# KiCad board 4-ch-backplane.kicad_pcb (continued)
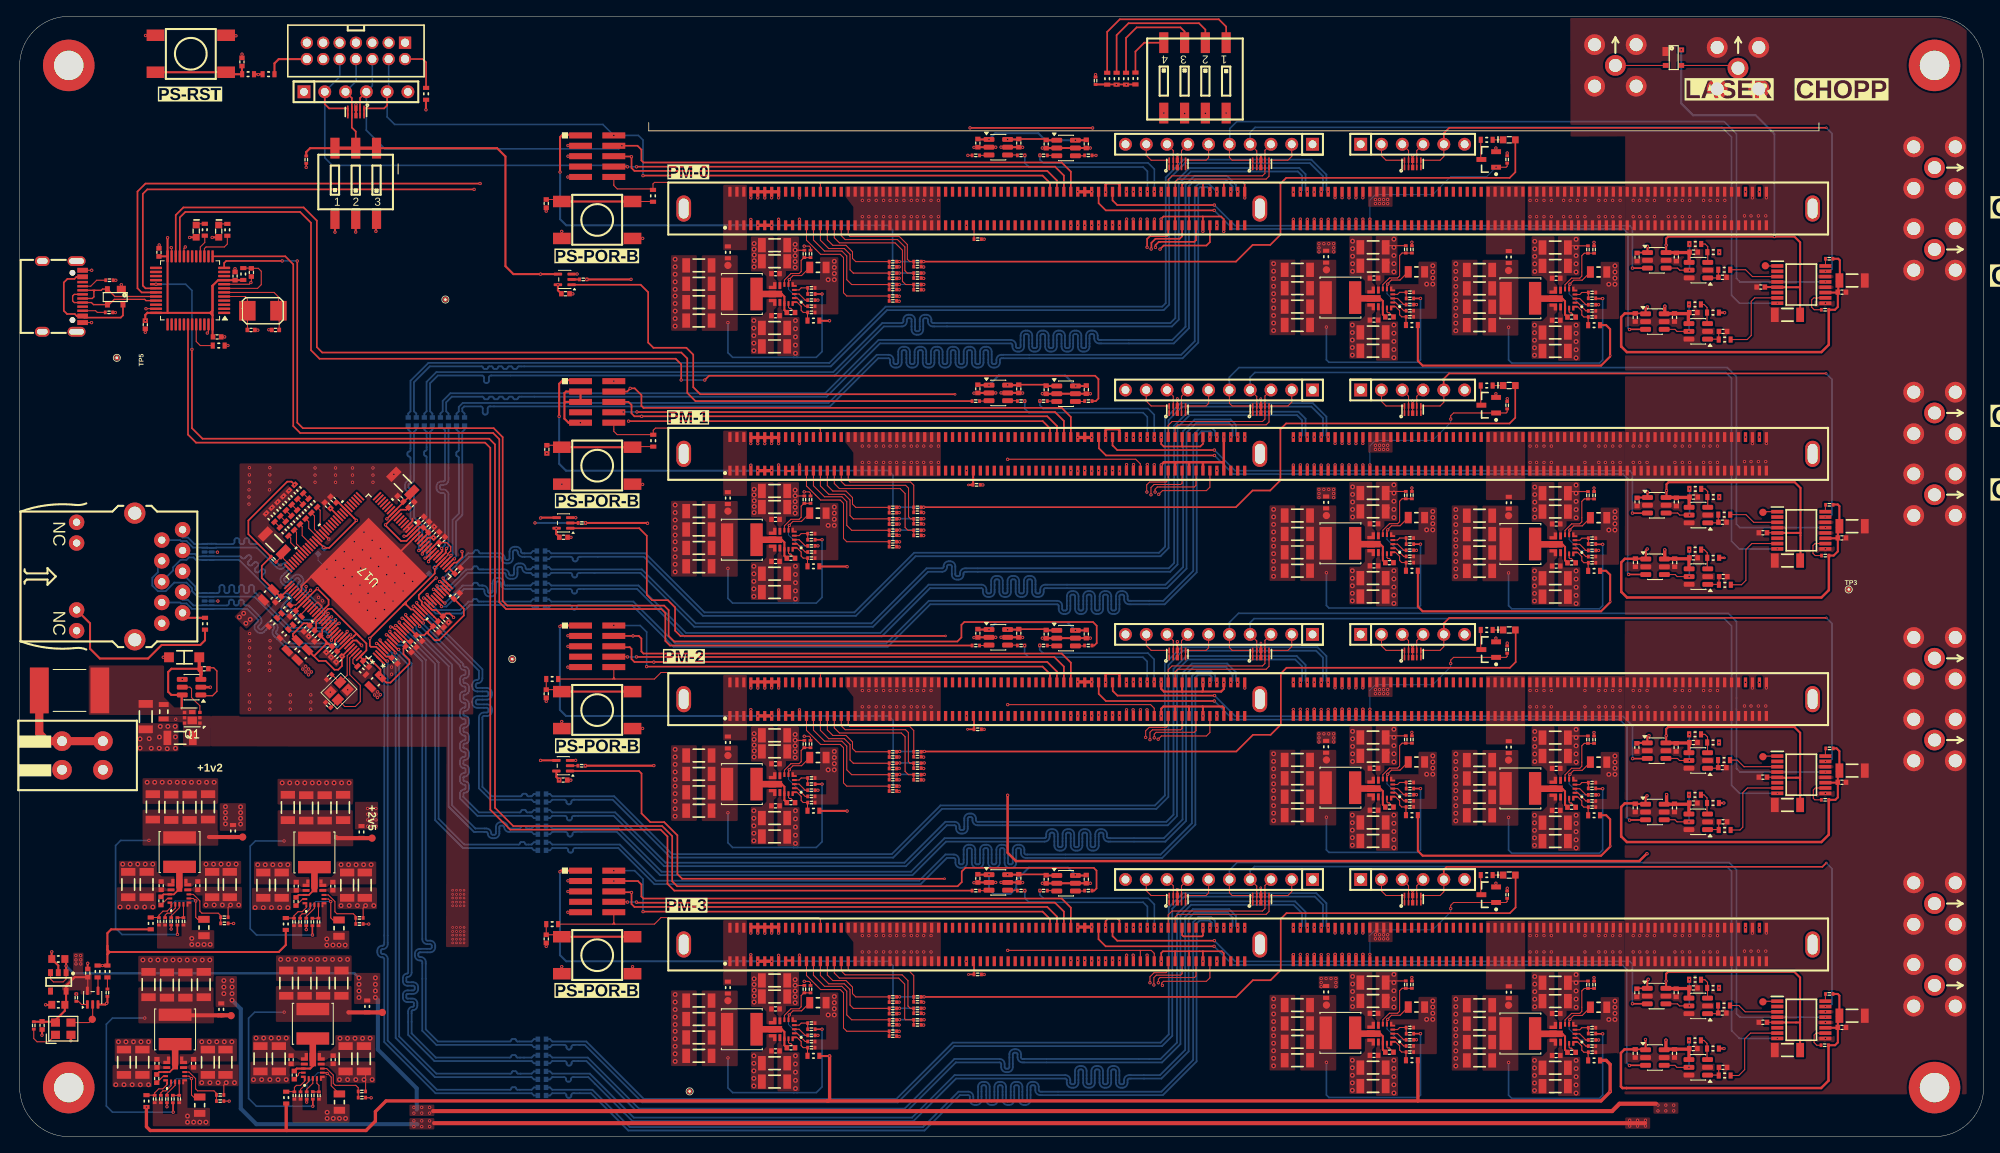
[diagram p0: board, top side]
## Nets (continued)
/TOP_LEVEL_IO/BOARD_ID_0: J7.64 J9.64 J11.64 J35.64 SW1.2
/TOP_LEVEL_IO/BOARD_ID_1: J7.66 J9.66 J11.66 J35.66 SW1.4
/TOP_LEVEL_IO/BOARD_ID_2: J7.68 J9.68 J11.68 J35.68 SW1.6
/TOP_LEVEL_IO/BOARD_ID_3: J7.70 J9.70 J11.70 J35.70 SW1.8
/TOP_LEVEL_IO/CHOPPER_INPUT: J18.1 R22.1 R35.1 R165.1 R203.1 U16.3
/TOP_LEVEL_IO/ETH1_TD0_N: C206.1 J7.215
/TOP_LEVEL_IO/ETH1_TD0_P: C205.1 J7.214
/TOP_LEVEL_IO/ETH1_TD1_N: C208.1 J7.218
/TOP_LEVEL_IO/ETH1_TD1_P: C207.1 J7.217
/TOP_LEVEL_IO/ETH1_TD2_N: C210.1 J7.222
/TOP_LEVEL_IO/ETH1_TD2_P: C209.1 J7.221
/TOP_LEVEL_IO/ETH1_TD3_N: C212.1 J7.225
/TOP_LEVEL_IO/ETH1_TD3_P: C211.1 J7.224
/TOP_LEVEL_IO/ETH2_TD0_N: C145.2 J9.215
/TOP_LEVEL_IO/ETH2_TD0_P: C144.2 J9.214
/TOP_LEVEL_IO/ETH2_TD1_N: C200.2 J9.218
/TOP_LEVEL_IO/ETH2_TD1_P: C199.2 J9.217
/TOP_LEVEL_IO/ETH2_TD2_N: C202.2 J9.222
/TOP_LEVEL_IO/ETH2_TD2_P: C201.2 J9.221
/TOP_LEVEL_IO/ETH2_TD3_N: C204.2 J9.225
/TOP_LEVEL_IO/ETH2_TD3_P: C203.2 J9.224
/TOP_LEVEL_IO/ETH3_TD0_N: C134.2 J11.215
/TOP_LEVEL_IO/ETH3_TD0_P: C133.2 J11.214
/TOP_LEVEL_IO/ETH3_TD1_N: C136.2 J11.218
/TOP_LEVEL_IO/ETH3_TD1_P: C135.2 J11.217
/TOP_LEVEL_IO/ETH3_TD2_N: C140.2 J11.222
/TOP_LEVEL_IO/ETH3_TD2_P: C137.2 J11.221
/TOP_LEVEL_IO/ETH3_TD3_N: C143.2 J11.225
/TOP_LEVEL_IO/ETH3_TD3_P: C142.2 J11.224
/TOP_LEVEL_IO/ETH4_TD0_N: C73.2 J35.215
/TOP_LEVEL_IO/ETH4_TD0_P: C69.2 J35.214
/TOP_LEVEL_IO/ETH4_TD1_N: C116.2 J35.218
/TOP_LEVEL_IO/ETH4_TD1_P: C81.2 J35.217
/TOP_LEVEL_IO/ETH4_TD2_N: C130.2 J35.222
/TOP_LEVEL_IO/ETH4_TD2_P: C128.2 J35.221
/TOP_LEVEL_IO/ETH4_TD3_N: C132.2 J35.225
/TOP_LEVEL_IO/ETH4_TD3_P: C131.2 J35.224
/TOP_LEVEL_IO/ETH5_TD0_N: D28.4 D28.7 J6.2 U17.113
/TOP_LEVEL_IO/ETH5_TD0_P: D28.5 D28.6 J6.1 U17.112
/TOP_LEVEL_IO/ETH5_TD1_N: D28.1 D28.10 J6.6 U17.116
/TOP_LEVEL_IO/ETH5_TD1_P: D28.2 D28.9 J6.3 U17.115
/TOP_LEVEL_IO/ETH5_TD2_N: D29.5 D29.6 J6.5 U17.118
/TOP_LEVEL_IO/ETH5_TD2_P: D29.4 D29.7 J6.4 U17.117
/TOP_LEVEL_IO/ETH5_TD3_N: D29.1 D29.10 J6.8 U17.121
/TOP_LEVEL_IO/ETH5_TD3_P: D29.2 D29.9 J6.7 U17.120
/TOP_LEVEL_IO/ETHERNET/ETH_LD1: J6.11 U17.102
/TOP_LEVEL_IO/ETHERNET/ETH_LD2: J6.14 R141.2 U17.103
/TOP_LEVEL_IO/HOUSE_POWER/CLK_1MHz: TP17.1 U13.2 Y1.3
/TOP_LEVEL_IO/HOUSE_POWER/SYNC_CLK: R67.1 R70.2 R71.2 R73.1 R86.1 R93.1 R104.1 R110.1 R119.1 R120.1 R121.1 R132.1 R166.1 R167.1 R168.1 R204.1 R205.1 R206.1
/TOP_LEVEL_IO/HOUSE_POWER/TPS543320_BUCK_1V2/BP5: C29.2 R99.1 U3.6
/TOP_LEVEL_IO/HOUSE_POWER/TPS543320_BUCK_1V2/FB: R2.1 R91.2 U3.4
/TOP_LEVEL_IO/HOUSE_POWER/TPS543320_BUCK_1V2/L+: C129.2 L9.1 U3.10 U3.13
/TOP_LEVEL_IO/HOUSE_POWER/TPS543320_BUCK_1V2/L-: C111.2 C118.2 C121.2 C124.2 L9.2 R2.2 R117.1 TP13.1
/TOP_LEVEL_IO/HOUSE_POWER/TPS543320_BUCK_1V2/MODE: R105.2 U3.2
/TOP_LEVEL_IO/HOUSE_POWER/TPS543320_BUCK_1V8/BP5: C30.2 R107.1 U18.6
/TOP_LEVEL_IO/HOUSE_POWER/TPS543320_BUCK_1V8/FB: R9.1 R92.2 U18.4
/TOP_LEVEL_IO/HOUSE_POWER/TPS543320_BUCK_1V8/L+: C141.2 L11.1 U18.10 U18.13
/TOP_LEVEL_IO/HOUSE_POWER/TPS543320_BUCK_1V8/L-: C112.2 C119.2 C122.2 C125.2 L11.2 R9.2 R118.1 TP14.1
/TOP_LEVEL_IO/HOUSE_POWER/TPS543320_BUCK_1V8/MODE: R106.2 U18.2
/TOP_LEVEL_IO/HOUSE_POWER/TPS543320_BUCK_2V5/BP5: C28.2 R98.1 U2.6
/TOP_LEVEL_IO/HOUSE_POWER/TPS543320_BUCK_2V5/FB: R1.1 R80.2 U2.4
/TOP_LEVEL_IO/HOUSE_POWER/TPS543320_BUCK_2V5/L+: C117.2 L8.1 U2.10 U2.13
/TOP_LEVEL_IO/HOUSE_POWER/TPS543320_BUCK_2V5/L-: C110.2 C113.2 C120.2 C123.2 L8.2 R1.2 R109.1 TP12.1
/TOP_LEVEL_IO/HOUSE_POWER/TPS543320_BUCK_2V5/MODE: R5.2 U2.2
/TOP_LEVEL_IO/HOUSE_POWER/TPS543620_BUCK_5V0_HOUSE/FB: R30.1 R66.2 U22.4
/TOP_LEVEL_IO/HOUSE_POWER/TPS543620_BUCK_5V0_HOUSE/L+: C104.1 L7.1 U22.10 U22.13
/TOP_LEVEL_IO/HOUSE_POWER/TPS543620_BUCK_5V0_HOUSE/L-: C79.2 C94.2 C101.2 C146.2 L7.2 R30.2 R101.1 TP10.1
/TOP_LEVEL_IO/HOUSE_POWER/TPS543620_BUCK_5V0_HOUSE/MODE: R95.2 U22.2
/TOP_LEVEL_IO/INPUT_PROTECTION/Gate: Q1.3 U1.5
/TOP_LEVEL_IO/JTAG/PS-RST-B: J2.14 R111.2
/TOP_LEVEL_IO/JTAG/Vref: J2.2 R112.2
/TOP_LEVEL_IO/LASER_SYNC_INPUT: J19.1 R17.1 R20.1 R164.1 R202.1 U16.2
/TOP_LEVEL_IO/NET_SWITCH/E1_TD0_N: C73.1 U17.2
/TOP_LEVEL_IO/NET_SWITCH/E1_TD0_P: C69.1 U17.1
/TOP_LEVEL_IO/NET_SWITCH/E1_TD1_N: C116.1 U17.5
/TOP_LEVEL_IO/NET_SWITCH/E1_TD1_P: C81.1 U17.4
/TOP_LEVEL_IO/NET_SWITCH/E1_TD2_N: C130.1 U17.7
/TOP_LEVEL_IO/NET_SWITCH/E1_TD2_P: C128.1 U17.6
/TOP_LEVEL_IO/NET_SWITCH/E1_TD3_N: C132.1 U17.9
/TOP_LEVEL_IO/NET_SWITCH/E1_TD3_P: C131.1 U17.8
/TOP_LEVEL_IO/NET_SWITCH/E2_TD0_N: C134.1 U17.13
/TOP_LEVEL_IO/NET_SWITCH/E2_TD0_P: C133.1 U17.12
/TOP_LEVEL_IO/NET_SWITCH/E2_TD1_N: C136.1 U17.16
/TOP_LEVEL_IO/NET_SWITCH/E2_TD1_P: C135.1 U17.15
/TOP_LEVEL_IO/NET_SWITCH/E2_TD2_N: C140.1 U17.18
/TOP_LEVEL_IO/NET_SWITCH/E2_TD2_P: C137.1 U17.17
/TOP_LEVEL_IO/NET_SWITCH/E2_TD3_N: C143.1 U17.21
/TOP_LEVEL_IO/NET_SWITCH/E2_TD3_P: C142.1 U17.20
/TOP_LEVEL_IO/NET_SWITCH/E3_TD0_N: C145.1 U17.25
/TOP_LEVEL_IO/NET_SWITCH/E3_TD0_P: C144.1 U17.24
/TOP_LEVEL_IO/NET_SWITCH/E3_TD1_N: C200.1 U17.27
/TOP_LEVEL_IO/NET_SWITCH/E3_TD1_P: C199.1 U17.26
/TOP_LEVEL_IO/NET_SWITCH/E3_TD2_N: C202.1 U17.29
/TOP_LEVEL_IO/NET_SWITCH/E3_TD2_P: C201.1 U17.28
/TOP_LEVEL_IO/NET_SWITCH/E3_TD3_N: C204.1 U17.32
/TOP_LEVEL_IO/NET_SWITCH/E3_TD3_P: C203.1 U17.31
/TOP_LEVEL_IO/NET_SWITCH/E4_TD0_N: C206.2 U17.35
/TOP_LEVEL_IO/NET_SWITCH/E4_TD0_P: C205.2 U17.34
/TOP_LEVEL_IO/NET_SWITCH/E4_TD1_N: C208.2 U17.38
/TOP_LEVEL_IO/NET_SWITCH/E4_TD1_P: C207.2 U17.37
/TOP_LEVEL_IO/NET_SWITCH/E4_TD2_N: C210.2 U17.40
/TOP_LEVEL_IO/NET_SWITCH/E4_TD2_P: C209.2 U17.39
/TOP_LEVEL_IO/NET_SWITCH/E4_TD3_N: C212.2 U17.43
/TOP_LEVEL_IO/NET_SWITCH/E4_TD3_P: C211.2 U17.42
/TOP_LEVEL_IO/NET_SWITCH/ETH1_LED_0: U17.105
/TOP_LEVEL_IO/NET_SWITCH/ETH1_LED_1: R147.2 U17.106
/TOP_LEVEL_IO/NET_SWITCH/ETH2_LED_0: R144.2 U17.89
/TOP_LEVEL_IO/NET_SWITCH/ETH2_LED_1: R146.2 U17.90
/TOP_LEVEL_IO/NET_SWITCH/ETH3_LED_0: U17.85
/TOP_LEVEL_IO/NET_SWITCH/ETH3_LED_1: R142.2 U17.86
/TOP_LEVEL_IO/NET_SWITCH/ETH4_LED_0: R145.2 U17.82
/TOP_LEVEL_IO/NET_SWITCH/ETH4_LED_1: R143.2 U17.83
/TOP_LEVEL_IO/NET_SWITCH/RX_CTL: U17.73
/TOP_LEVEL_IO/NET_SWITCH/RXC: U17.72
/TOP_LEVEL_IO/NET_SWITCH/RXD0: R149.1 U17.80
/TOP_LEVEL_IO/NET_SWITCH/RXD1: U17.79
/TOP_LEVEL_IO/NET_SWITCH/RXD2: U17.78
/TOP_LEVEL_IO/NET_SWITCH/RXD3: U17.77
/TOP_LEVEL_IO/NET_SWITCH/TX_CTL: U17.64
/TOP_LEVEL_IO/NET_SWITCH/TXC: U17.63
/TOP_LEVEL_IO/NET_SWITCH/TXD0: U17.70
/TOP_LEVEL_IO/NET_SWITCH/TXD1: U17.69
/TOP_LEVEL_IO/NET_SWITCH/TXD2: U17.68
/TOP_LEVEL_IO/NET_SWITCH/TXD3: U17.67
/TOP_LEVEL_IO/PM0_DET: J7.36 R28.2
/TOP_LEVEL_IO/PM1_DET: J9.36 R29.2 U39.1
/TOP_LEVEL_IO/PM2_DET: J11.36 R64.2 U40.1
/TOP_LEVEL_IO/PM3_DET: J35.36 R65.2 U41.1
/TOP_LEVEL_IO/PS_RST: J7.71 J9.71 J11.71 J35.71 R6.1 R45.1 R111.1
/TOP_LEVEL_IO/RXD_IN_0: R303.1 U42.31
/TOP_LEVEL_IO/RXD_IN_1: R308.1 U42.22
/TOP_LEVEL_IO/RXD_IN_2: R312.1 U42.13
/TOP_LEVEL_IO/RXD_IN_3: R316.1 U42.42
/TOP_LEVEL_IO/SPEEDY_PM__INST1/ADC_CLK_EXT+: J9.245
/TOP_LEVEL_IO/SPEEDY_PM__INST1/ADC_CLK_EXT-: J9.244
/TOP_LEVEL_IO/SPEEDY_PM__INST1/CH1: J9.285 J20.1
/TOP_LEVEL_IO/SPEEDY_PM__INST1/CH2: J9.287 J21.1
/TOP_LEVEL_IO/SPEEDY_PM__INST1/DONE: J9.189
/TOP_LEVEL_IO/SPEEDY_PM__INST1/ETH_LD0: J9.75
/TOP_LEVEL_IO/SPEEDY_PM__INST1/ETH_LD1: J9.74
/TOP_LEVEL_IO/SPEEDY_PM__INST1/ETH_LD2: J9.73
/TOP_LEVEL_IO/SPEEDY_PM__INST1/FPGA_T19: D8.5 D8.6 J9.81 J23.5 U48.15
/TOP_LEVEL_IO/SPEEDY_PM__INST1/FPGA_T20: D8.4 D8.7 J9.80 J23.4
/TOP_LEVEL_IO/SPEEDY_PM__INST1/FPGA_U17: D8.2 D8.9 J9.78 J23.3
/TOP_LEVEL_IO/SPEEDY_PM__INST1/FPGA_U20: J9.87 Q5.1 R56.2
/TOP_LEVEL_IO/SPEEDY_PM__INST1/FPGA_V18: D8.1 D8.10 J9.77 J23.2
/TOP_LEVEL_IO/SPEEDY_PM__INST1/I2C0_SCL: D9.1 D9.10 J9.202 J17.5 U48.13
/TOP_LEVEL_IO/SPEEDY_PM__INST1/I2C0_SDA: D9.2 D9.9 J9.203 J17.4 U48.8
/TOP_LEVEL_IO/SPEEDY_PM__INST1/INIT_B: J9.188
/TOP_LEVEL_IO/SPEEDY_PM__INST1/Laser_Chopper_FE/CHOPPER_OUT: J9.198 U6.3
/TOP_LEVEL_IO/SPEEDY_PM__INST1/Laser_Chopper_FE/DAC_CHOPPER: R194.1 U48.7
/TOP_LEVEL_IO/SPEEDY_PM__INST1/Laser_Chopper_FE/DAC_SYNC: R228.1 U48.3
/TOP_LEVEL_IO/SPEEDY_PM__INST1/Laser_Chopper_FE/LASER_SYNC_OUT: J9.200 U9.3
/TOP_LEVEL_IO/SPEEDY_PM__INST1/PM__1V8: J9.9 J9.10
/TOP_LEVEL_IO/SPEEDY_PM__INST1/PM__2V4: J9.231 J9.232 J9.233 J9.234 R131.2
/TOP_LEVEL_IO/SPEEDY_PM__INST1/PM__3V3: D15.A J9.5 J9.6 J9.7 J15.1 R245.2 R254.2 R262.2 R274.2 R276.2 R278.2 R294.2
/TOP_LEVEL_IO/SPEEDY_PM__INST1/PM__5V_CONN: J9.1 J9.2 J9.3 J9.145 J9.146 J9.147 R129.2
/TOP_LEVEL_IO/SPEEDY_PM__INST1/PM__5V_PGA: J9.104 J9.105 J9.106 J9.107 J9.108 J9.109 J9.248 J9.249 J9.250 J9.251 J9.252 J9.253 R130.2
/TOP_LEVEL_IO/SPEEDY_PM__INST1/PROG_B: J9.187
/TOP_LEVEL_IO/SPEEDY_PM__INST1/PS_CLK_EXT: J9.34
/TOP_LEVEL_IO/SPEEDY_PM__INST1/PS_POR_B: J9.158 J15.10 R4.2
/TOP_LEVEL_IO/SPEEDY_PM__INST1/PWR/TPS543620_BUCK_2V4/FB: R72.2 R126.1 U23.4
/TOP_LEVEL_IO/SPEEDY_PM__INST1/PWR/TPS543620_BUCK_2V4/L+: C164.1 L14.1 U23.10 U23.13
/TOP_LEVEL_IO/SPEEDY_PM__INST1/PWR/TPS543620_BUCK_2V4/L-: C86.2 C95.2 C102.2 C147.2 L14.2 R126.2 R131.1 TP11.1
/TOP_LEVEL_IO/SPEEDY_PM__INST1/PWR/TPS543620_BUCK_2V4/MODE: R113.2 U23.2
/TOP_LEVEL_IO/SPEEDY_PM__INST1/PWR/TPS543620_BUCK_5V0_CONN/FB: R79.2 R84.1 U25.4
/TOP_LEVEL_IO/SPEEDY_PM__INST1/PWR/TPS543620_BUCK_5V0_CONN/L+: C166.1 L12.1 U25.10 U25.13
/TOP_LEVEL_IO/SPEEDY_PM__INST1/PWR/TPS543620_BUCK_5V0_CONN/L-: C88.2 C97.2 C106.2 C149.2 L12.2 R84.2 R129.1 TP16.1
/TOP_LEVEL_IO/SPEEDY_PM__INST1/PWR/TPS543620_BUCK_5V0_CONN/MODE: R122.2 U25.2
/TOP_LEVEL_IO/SPEEDY_PM__INST1/PWR/TPS543620_BUCK_5V0_PGA/FB: R74.2 R100.1 U24.4
/TOP_LEVEL_IO/SPEEDY_PM__INST1/PWR/TPS543620_BUCK_5V0_PGA/L+: C165.1 L13.1 U24.10 U24.13
/TOP_LEVEL_IO/SPEEDY_PM__INST1/PWR/TPS543620_BUCK_5V0_PGA/L-: C87.2 C96.2 C103.2 C148.2 L13.2 R100.2 R130.1 TP15.1
/TOP_LEVEL_IO/SPEEDY_PM__INST1/PWR/TPS543620_BUCK_5V0_PGA/MODE: R114.2 U24.2
/TOP_LEVEL_IO/SPEEDY_PM__INST1/SPI_CS/MIO1: J9.14 R278.1 R279.1
/TOP_LEVEL_IO/SPEEDY_PM__INST1/SPI_DQ0/BOOT_MODE[3]/MIO2: J9.15 R245.1 R249.1
/TOP_LEVEL_IO/SPEEDY_PM__INST1/SPI_DQ1/BOOT_MODE[1]/MIO3: J9.13 R276.1 R277.1
/TOP_LEVEL_IO/SPEEDY_PM__INST1/SPI_DQ2/BOOT_MODE[2]/MIO4: J9.12 R274.1 R275.1
/TOP_LEVEL_IO/SPEEDY_PM__INST1/SPI_DQ3/BOOT_MODE[0]/MIO5: J9.17 R262.1 R263.1
/TOP_LEVEL_IO/SPEEDY_PM__INST1/SPI_SCK/BOOT_MODE[4]/MIO6: J9.16 R254.1 R255.1
/TOP_LEVEL_IO/SPEEDY_PM__INST1/SPI_SCLK_FB/VMODE[1]/MIO8: J9.18 R294.1 R295.1
/TOP_LEVEL_IO/SPEEDY_PM__INST1/TRIGGER_IN_0: D12.1 D12.10 J9.51 J17.9
/TOP_LEVEL_IO/SPEEDY_PM__INST1/TRIGGER_IN_1: D12.2 D12.9 J9.53 J17.8
/TOP_LEVEL_IO/SPEEDY_PM__INST1/TRIGGER_OUT_0: D12.4 D12.7 J9.55 J17.7
/TOP_LEVEL_IO/SPEEDY_PM__INST1/TRIGGER_OUT_1: D12.5 D12.6 J9.57 J17.6
/TOP_LEVEL_IO/SPEEDY_PM__INST1/TTC0_IN: D9.5 D9.6 J9.209 J17.2
/TOP_LEVEL_IO/SPEEDY_PM__INST1/TTC0_OUT: D9.4 D9.7 J9.208 J17.3
/TOP_LEVEL_IO/SPEEDY_PM__INST1/UART_LS/RX_OUT: J9.206 R307.2
/TOP_LEVEL_IO/SPEEDY_PM__INST1/UART_LS/TX_IN: J9.205 R306.2
/TOP_LEVEL_IO/SPEEDY_PM__INST2/ADC_CLK_EXT+: J11.245
/TOP_LEVEL_IO/SPEEDY_PM__INST2/ADC_CLK_EXT-: J11.244
/TOP_LEVEL_IO/SPEEDY_PM__INST2/CH1: J11.285 J26.1
/TOP_LEVEL_IO/SPEEDY_PM__INST2/CH2: J11.287 J27.1
/TOP_LEVEL_IO/SPEEDY_PM__INST2/DONE: J11.189
/TOP_LEVEL_IO/SPEEDY_PM__INST2/ETH_LD0: J11.75
/TOP_LEVEL_IO/SPEEDY_PM__INST2/ETH_LD1: J11.74
/TOP_LEVEL_IO/SPEEDY_PM__INST2/ETH_LD2: J11.73
/TOP_LEVEL_IO/SPEEDY_PM__INST2/FPGA_T19: D10.5 D10.6 J11.81 J28.5 U49.15
/TOP_LEVEL_IO/SPEEDY_PM__INST2/FPGA_T20: D10.4 D10.7 J11.80 J28.4
/TOP_LEVEL_IO/SPEEDY_PM__INST2/FPGA_U17: D10.2 D10.9 J11.78 J28.3
/TOP_LEVEL_IO/SPEEDY_PM__INST2/FPGA_U20: J11.87 Q6.1 R152.2
/TOP_LEVEL_IO/SPEEDY_PM__INST2/FPGA_V18: D10.1 D10.10 J11.77 J28.2
/TOP_LEVEL_IO/SPEEDY_PM__INST2/I2C0_SCL: D11.1 D11.10 J11.202 J29.5 U49.13
/TOP_LEVEL_IO/SPEEDY_PM__INST2/I2C0_SDA: D11.2 D11.9 J11.203 J29.4 U49.8
/TOP_LEVEL_IO/SPEEDY_PM__INST2/INIT_B: J11.188
/TOP_LEVEL_IO/SPEEDY_PM__INST2/Laser_Chopper_FE/CHOPPER_OUT: J11.198 U27.3
/TOP_LEVEL_IO/SPEEDY_PM__INST2/Laser_Chopper_FE/DAC_CHOPPER: R225.1 U49.7
/TOP_LEVEL_IO/SPEEDY_PM__INST2/Laser_Chopper_FE/DAC_SYNC: R229.1 U49.3
/TOP_LEVEL_IO/SPEEDY_PM__INST2/Laser_Chopper_FE/LASER_SYNC_OUT: J11.200 U28.3
/TOP_LEVEL_IO/SPEEDY_PM__INST2/PM__1V8: J11.9 J11.10
/TOP_LEVEL_IO/SPEEDY_PM__INST2/PM__2V4: J11.231 J11.232 J11.233 J11.234 R162.2
/TOP_LEVEL_IO/SPEEDY_PM__INST2/PM__3V3: D18.A J11.5 J11.6 J11.7 J37.1 R246.2 R256.2 R264.2 R280.2 R282.2 R284.2 R296.2
/TOP_LEVEL_IO/SPEEDY_PM__INST2/PM__5V_CONN: J11.1 J11.2 J11.3 J11.145 J11.146 J11.147 R160.2
/TOP_LEVEL_IO/SPEEDY_PM__INST2/PM__5V_PGA: J11.104 J11.105 J11.106 J11.107 J11.108 J11.109 J11.248 J11.249 J11.250 J11.251 J11.252 J11.253 R161.2
/TOP_LEVEL_IO/SPEEDY_PM__INST2/PROG_B: J11.187
/TOP_LEVEL_IO/SPEEDY_PM__INST2/PS_CLK_EXT: J11.34
/TOP_LEVEL_IO/SPEEDY_PM__INST2/PS_POR_B: J11.158 J37.10 R153.2
/TOP_LEVEL_IO/SPEEDY_PM__INST2/PWR/TPS543620_BUCK_2V4/FB: R159.1 R184.2 U30.4
/TOP_LEVEL_IO/SPEEDY_PM__INST2/PWR/TPS543620_BUCK_2V4/L+: C246.1 L17.1 U30.10 U30.13
/TOP_LEVEL_IO/SPEEDY_PM__INST2/PWR/TPS543620_BUCK_2V4/L-: C254.2 C257.2 C260.2 C263.2 L17.2 R159.2 R162.1 TP18.1
/TOP_LEVEL_IO/SPEEDY_PM__INST2/PWR/TPS543620_BUCK_2V4/MODE: R172.2 U30.2
/TOP_LEVEL_IO/SPEEDY_PM__INST2/PWR/TPS543620_BUCK_5V0_CONN/FB: R157.1 R186.2 U32.4
/TOP_LEVEL_IO/SPEEDY_PM__INST2/PWR/TPS543620_BUCK_5V0_CONN/L+: C248.1 L15.1 U32.10 U32.13
/TOP_LEVEL_IO/SPEEDY_PM__INST2/PWR/TPS543620_BUCK_5V0_CONN/L-: C256.2 C259.2 C262.2 C265.2 L15.2 R157.2 R160.1 TP20.1
/TOP_LEVEL_IO/SPEEDY_PM__INST2/PWR/TPS543620_BUCK_5V0_CONN/MODE: R174.2 U32.2
/TOP_LEVEL_IO/SPEEDY_PM__INST2/PWR/TPS543620_BUCK_5V0_PGA/FB: R158.1 R185.2 U31.4
/TOP_LEVEL_IO/SPEEDY_PM__INST2/PWR/TPS543620_BUCK_5V0_PGA/L+: C247.1 L16.1 U31.10 U31.13
/TOP_LEVEL_IO/SPEEDY_PM__INST2/PWR/TPS543620_BUCK_5V0_PGA/L-: C255.2 C258.2 C261.2 C264.2 L16.2 R158.2 R161.1 TP19.1
/TOP_LEVEL_IO/SPEEDY_PM__INST2/PWR/TPS543620_BUCK_5V0_PGA/MODE: R173.2 U31.2
/TOP_LEVEL_IO/SPEEDY_PM__INST2/SPI_CS/MIO1: J11.14 R284.1 R285.1
/TOP_LEVEL_IO/SPEEDY_PM__INST2/SPI_DQ0/BOOT_MODE[3]/MIO2: J11.15 R246.1 R250.1
/TOP_LEVEL_IO/SPEEDY_PM__INST2/SPI_DQ1/BOOT_MODE[1]/MIO3: J11.13 R282.1 R283.1
/TOP_LEVEL_IO/SPEEDY_PM__INST2/SPI_DQ2/BOOT_MODE[2]/MIO4: J11.12 R280.1 R281.1
/TOP_LEVEL_IO/SPEEDY_PM__INST2/SPI_DQ3/BOOT_MODE[0]/MIO5: J11.17 R264.1 R265.1
/TOP_LEVEL_IO/SPEEDY_PM__INST2/SPI_SCK/BOOT_MODE[4]/MIO6: J11.16 R256.1 R257.1
/TOP_LEVEL_IO/SPEEDY_PM__INST2/SPI_SCLK_FB/VMODE[1]/MIO8: J11.18 R296.1 R297.1
/TOP_LEVEL_IO/SPEEDY_PM__INST2/TRIGGER_IN_0: D19.1 D19.10 J11.51 J29.9
/TOP_LEVEL_IO/SPEEDY_PM__INST2/TRIGGER_IN_1: D19.2 D19.9 J11.53 J29.8
/TOP_LEVEL_IO/SPEEDY_PM__INST2/TRIGGER_OUT_0: D19.4 D19.7 J11.55 J29.7
/TOP_LEVEL_IO/SPEEDY_PM__INST2/TRIGGER_OUT_1: D19.5 D19.6 J11.57 J29.6
/TOP_LEVEL_IO/SPEEDY_PM__INST2/TTC0_IN: D11.5 D11.6 J11.209 J29.2
/TOP_LEVEL_IO/SPEEDY_PM__INST2/TTC0_OUT: D11.4 D11.7 J11.208 J29.3
/TOP_LEVEL_IO/SPEEDY_PM__INST2/UART_LS/RX_OUT: J11.206 R311.2
/TOP_LEVEL_IO/SPEEDY_PM__INST2/UART_LS/TX_IN: J11.205 R310.2
/TOP_LEVEL_IO/SPEEDY_PM__INST3/ADC_CLK_EXT+: J35.245
/TOP_LEVEL_IO/SPEEDY_PM__INST3/ADC_CLK_EXT-: J35.244
/TOP_LEVEL_IO/SPEEDY_PM__INST3/CH1: J32.1 J35.285
/TOP_LEVEL_IO/SPEEDY_PM__INST3/CH2: J33.1 J35.287
/TOP_LEVEL_IO/SPEEDY_PM__INST3/DONE: J35.189
/TOP_LEVEL_IO/SPEEDY_PM__INST3/ETH_LD0: J35.75
/TOP_LEVEL_IO/SPEEDY_PM__INST3/ETH_LD1: J35.74
/TOP_LEVEL_IO/SPEEDY_PM__INST3/ETH_LD2: J35.73
/TOP_LEVEL_IO/SPEEDY_PM__INST3/FPGA_T19: D22.5 D22.6 J34.5 J35.81 U50.15
/TOP_LEVEL_IO/SPEEDY_PM__INST3/FPGA_T20: D22.4 D22.7 J34.4 J35.80
/TOP_LEVEL_IO/SPEEDY_PM__INST3/FPGA_U17: D22.2 D22.9 J34.3 J35.78
/TOP_LEVEL_IO/SPEEDY_PM__INST3/FPGA_U20: J35.87 Q7.1 R190.2
/TOP_LEVEL_IO/SPEEDY_PM__INST3/FPGA_V18: D22.1 D22.10 J34.2 J35.77
/TOP_LEVEL_IO/SPEEDY_PM__INST3/I2C0_SCL: D23.1 D23.10 J35.202 J36.5 U50.13
/TOP_LEVEL_IO/SPEEDY_PM__INST3/I2C0_SDA: D23.2 D23.9 J35.203 J36.4 U50.8
/TOP_LEVEL_IO/SPEEDY_PM__INST3/INIT_B: J35.188
/TOP_LEVEL_IO/SPEEDY_PM__INST3/Laser_Chopper_FE/CHOPPER_OUT: J35.198 U33.3
/TOP_LEVEL_IO/SPEEDY_PM__INST3/Laser_Chopper_FE/DAC_CHOPPER: R226.1 U50.7
/TOP_LEVEL_IO/SPEEDY_PM__INST3/Laser_Chopper_FE/DAC_SYNC: R230.1 U50.3
/TOP_LEVEL_IO/SPEEDY_PM__INST3/Laser_Chopper_FE/LASER_SYNC_OUT: J35.200 U34.3
/TOP_LEVEL_IO/SPEEDY_PM__INST3/PM__1V8: J35.9 J35.10
/TOP_LEVEL_IO/SPEEDY_PM__INST3/PM__2V4: J35.231 J35.232 J35.233 J35.234 R200.2
/TOP_LEVEL_IO/SPEEDY_PM__INST3/PM__3V3: D21.A J35.5 J35.6 J35.7 J40.1 R247.2 R258.2 R266.2 R286.2 R288.2 R290.2 R298.2
/TOP_LEVEL_IO/SPEEDY_PM__INST3/PM__5V_CONN: J35.1 J35.2 J35.3 J35.145 J35.146 J35.147 R198.2
/TOP_LEVEL_IO/SPEEDY_PM__INST3/PM__5V_PGA: J35.104 J35.105 J35.106 J35.107 J35.108 J35.109 J35.248 J35.249 J35.250 J35.251 J35.252 J35.253 R199.2
/TOP_LEVEL_IO/SPEEDY_PM__INST3/PROG_B: J35.187
/TOP_LEVEL_IO/SPEEDY_PM__INST3/PS_CLK_EXT: J35.34
/TOP_LEVEL_IO/SPEEDY_PM__INST3/PS_POR_B: J35.158 J40.10 R191.2
/TOP_LEVEL_IO/SPEEDY_PM__INST3/PWR/TPS543620_BUCK_2V4/FB: R197.1 R222.2 U36.4
/TOP_LEVEL_IO/SPEEDY_PM__INST3/PWR/TPS543620_BUCK_2V4/L+: C291.1 L20.1 U36.10 U36.13
/TOP_LEVEL_IO/SPEEDY_PM__INST3/PWR/TPS543620_BUCK_2V4/L-: C297.2 C300.2 C303.2 C306.2 L20.2 R197.2 R200.1 TP21.1
/TOP_LEVEL_IO/SPEEDY_PM__INST3/PWR/TPS543620_BUCK_2V4/MODE: R210.2 U36.2
/TOP_LEVEL_IO/SPEEDY_PM__INST3/PWR/TPS543620_BUCK_5V0_CONN/FB: R195.1 R224.2 U38.4
/TOP_LEVEL_IO/SPEEDY_PM__INST3/PWR/TPS543620_BUCK_5V0_CONN/L+: C293.1 L18.1 U38.10 U38.13
/TOP_LEVEL_IO/SPEEDY_PM__INST3/PWR/TPS543620_BUCK_5V0_CONN/L-: C299.2 C302.2 C305.2 C308.2 L18.2 R195.2 R198.1 TP23.1
/TOP_LEVEL_IO/SPEEDY_PM__INST3/PWR/TPS543620_BUCK_5V0_CONN/MODE: R212.2 U38.2
/TOP_LEVEL_IO/SPEEDY_PM__INST3/PWR/TPS543620_BUCK_5V0_PGA/FB: R196.1 R223.2 U37.4
/TOP_LEVEL_IO/SPEEDY_PM__INST3/PWR/TPS543620_BUCK_5V0_PGA/L+: C292.1 L19.1 U37.10 U37.13
/TOP_LEVEL_IO/SPEEDY_PM__INST3/PWR/TPS543620_BUCK_5V0_PGA/L-: C298.2 C301.2 C304.2 C307.2 L19.2 R196.2 R199.1 TP22.1
/TOP_LEVEL_IO/SPEEDY_PM__INST3/PWR/TPS543620_BUCK_5V0_PGA/MODE: R211.2 U37.2
/TOP_LEVEL_IO/SPEEDY_PM__INST3/SPI_CS/MIO1: J35.14 R290.1 R291.1
/TOP_LEVEL_IO/SPEEDY_PM__INST3/SPI_DQ0/BOOT_MODE[3]/MIO2: J35.15 R247.1 R251.1
/TOP_LEVEL_IO/SPEEDY_PM__INST3/SPI_DQ1/BOOT_MODE[1]/MIO3: J35.13 R288.1 R289.1
/TOP_LEVEL_IO/SPEEDY_PM__INST3/SPI_DQ2/BOOT_MODE[2]/MIO4: J35.12 R286.1 R287.1
/TOP_LEVEL_IO/SPEEDY_PM__INST3/SPI_DQ3/BOOT_MODE[0]/MIO5: J35.17 R266.1 R267.1
/TOP_LEVEL_IO/SPEEDY_PM__INST3/SPI_SCK/BOOT_MODE[4]/MIO6: J35.16 R258.1 R259.1
/TOP_LEVEL_IO/SPEEDY_PM__INST3/SPI_SCLK_FB/VMODE[1]/MIO8: J35.18 R298.1 R299.1
/TOP_LEVEL_IO/SPEEDY_PM__INST3/TRIGGER_IN_0: D24.1 D24.10 J35.51 J36.9
/TOP_LEVEL_IO/SPEEDY_PM__INST3/TRIGGER_IN_1: D24.2 D24.9 J35.53 J36.8
/TOP_LEVEL_IO/SPEEDY_PM__INST3/TRIGGER_OUT_0: D24.4 D24.7 J35.55 J36.7
/TOP_LEVEL_IO/SPEEDY_PM__INST3/TRIGGER_OUT_1: D24.5 D24.6 J35.57 J36.6
/TOP_LEVEL_IO/SPEEDY_PM__INST3/TTC0_IN: D23.5 D23.6 J35.209 J36.2
/TOP_LEVEL_IO/SPEEDY_PM__INST3/TTC0_OUT: D23.4 D23.7 J35.208 J36.3
/TOP_LEVEL_IO/SPEEDY_PM__INST3/UART_LS/RX_OUT: J35.206 R315.2
/TOP_LEVEL_IO/SPEEDY_PM__INST3/UART_LS/TX_IN: J35.205 R314.2
/TOP_LEVEL_IO/SPEEDY_PM__INST/ADC_CLK_EXT+: J7.245
/TOP_LEVEL_IO/SPEEDY_PM__INST/ADC_CLK_EXT-: J7.244
/TOP_LEVEL_IO/SPEEDY_PM__INST/CH1: J4.1 J7.285
/TOP_LEVEL_IO/SPEEDY_PM__INST/CH2: J7.287 J12.1
/TOP_LEVEL_IO/SPEEDY_PM__INST/DONE: J7.189
/TOP_LEVEL_IO/SPEEDY_PM__INST/ETH_LD0: J7.75
/TOP_LEVEL_IO/SPEEDY_PM__INST/ETH_LD1: J7.74
/TOP_LEVEL_IO/SPEEDY_PM__INST/ETH_LD2: J7.73
/TOP_LEVEL_IO/SPEEDY_PM__INST/FPGA_T19: D2.5 D2.6 J7.81 J22.5 U47.15
/TOP_LEVEL_IO/SPEEDY_PM__INST/FPGA_T20: D2.4 D2.7 J7.80 J22.4
/TOP_LEVEL_IO/SPEEDY_PM__INST/FPGA_U17: D2.2 D2.9 J7.78 J22.3
/TOP_LEVEL_IO/SPEEDY_PM__INST/FPGA_U20: J7.87 Q4.1 R31.2
/TOP_LEVEL_IO/SPEEDY_PM__INST/FPGA_V18: D2.1 D2.10 J7.77 J22.2
/TOP_LEVEL_IO/SPEEDY_PM__INST/I2C0_SCL: D5.1 D5.10 J7.202 J16.5 U47.13
/TOP_LEVEL_IO/SPEEDY_PM__INST/I2C0_SDA: D5.2 D5.9 J7.203 J16.4 U47.8
/TOP_LEVEL_IO/SPEEDY_PM__INST/INIT_B: J7.188
/TOP_LEVEL_IO/SPEEDY_PM__INST/Laser_Chopper_FE/CHOPPER_OUT: J7.198 U4.3
/TOP_LEVEL_IO/SPEEDY_PM__INST/Laser_Chopper_FE/DAC_CHOPPER: R193.1 U47.7
/TOP_LEVEL_IO/SPEEDY_PM__INST/Laser_Chopper_FE/DAC_SYNC: R227.1 U47.3
/TOP_LEVEL_IO/SPEEDY_PM__INST/Laser_Chopper_FE/LASER_SYNC_OUT: J7.200 U8.3
/TOP_LEVEL_IO/SPEEDY_PM__INST/PM__1V8: J7.9 J7.10
/TOP_LEVEL_IO/SPEEDY_PM__INST/PM__2V4: J7.231 J7.232 J7.233 J7.234 R83.2
/TOP_LEVEL_IO/SPEEDY_PM__INST/PM__3V3: D14.A J7.5 J7.6 J7.7 J13.1 R244.2 R252.2 R260.2 R268.2 R270.2 R272.2 R292.2
/TOP_LEVEL_IO/SPEEDY_PM__INST/PM__5V_CONN: J7.1 J7.2 J7.3 J7.145 J7.146 J7.147 R85.2
/TOP_LEVEL_IO/SPEEDY_PM__INST/PM__5V_PGA: J7.104 J7.105 J7.106 J7.107 J7.108 J7.109 J7.248 J7.249 J7.250 J7.251 J7.252 J7.253 R82.2
/TOP_LEVEL_IO/SPEEDY_PM__INST/PROG_B: J7.187
/TOP_LEVEL_IO/SPEEDY_PM__INST/PS_CLK_EXT: J7.34
/TOP_LEVEL_IO/SPEEDY_PM__INST/PS_POR_B: J7.158 J13.10 R3.2
